# KiCad board edc-mux-board-fpga-main.kicad_pcb (continued)
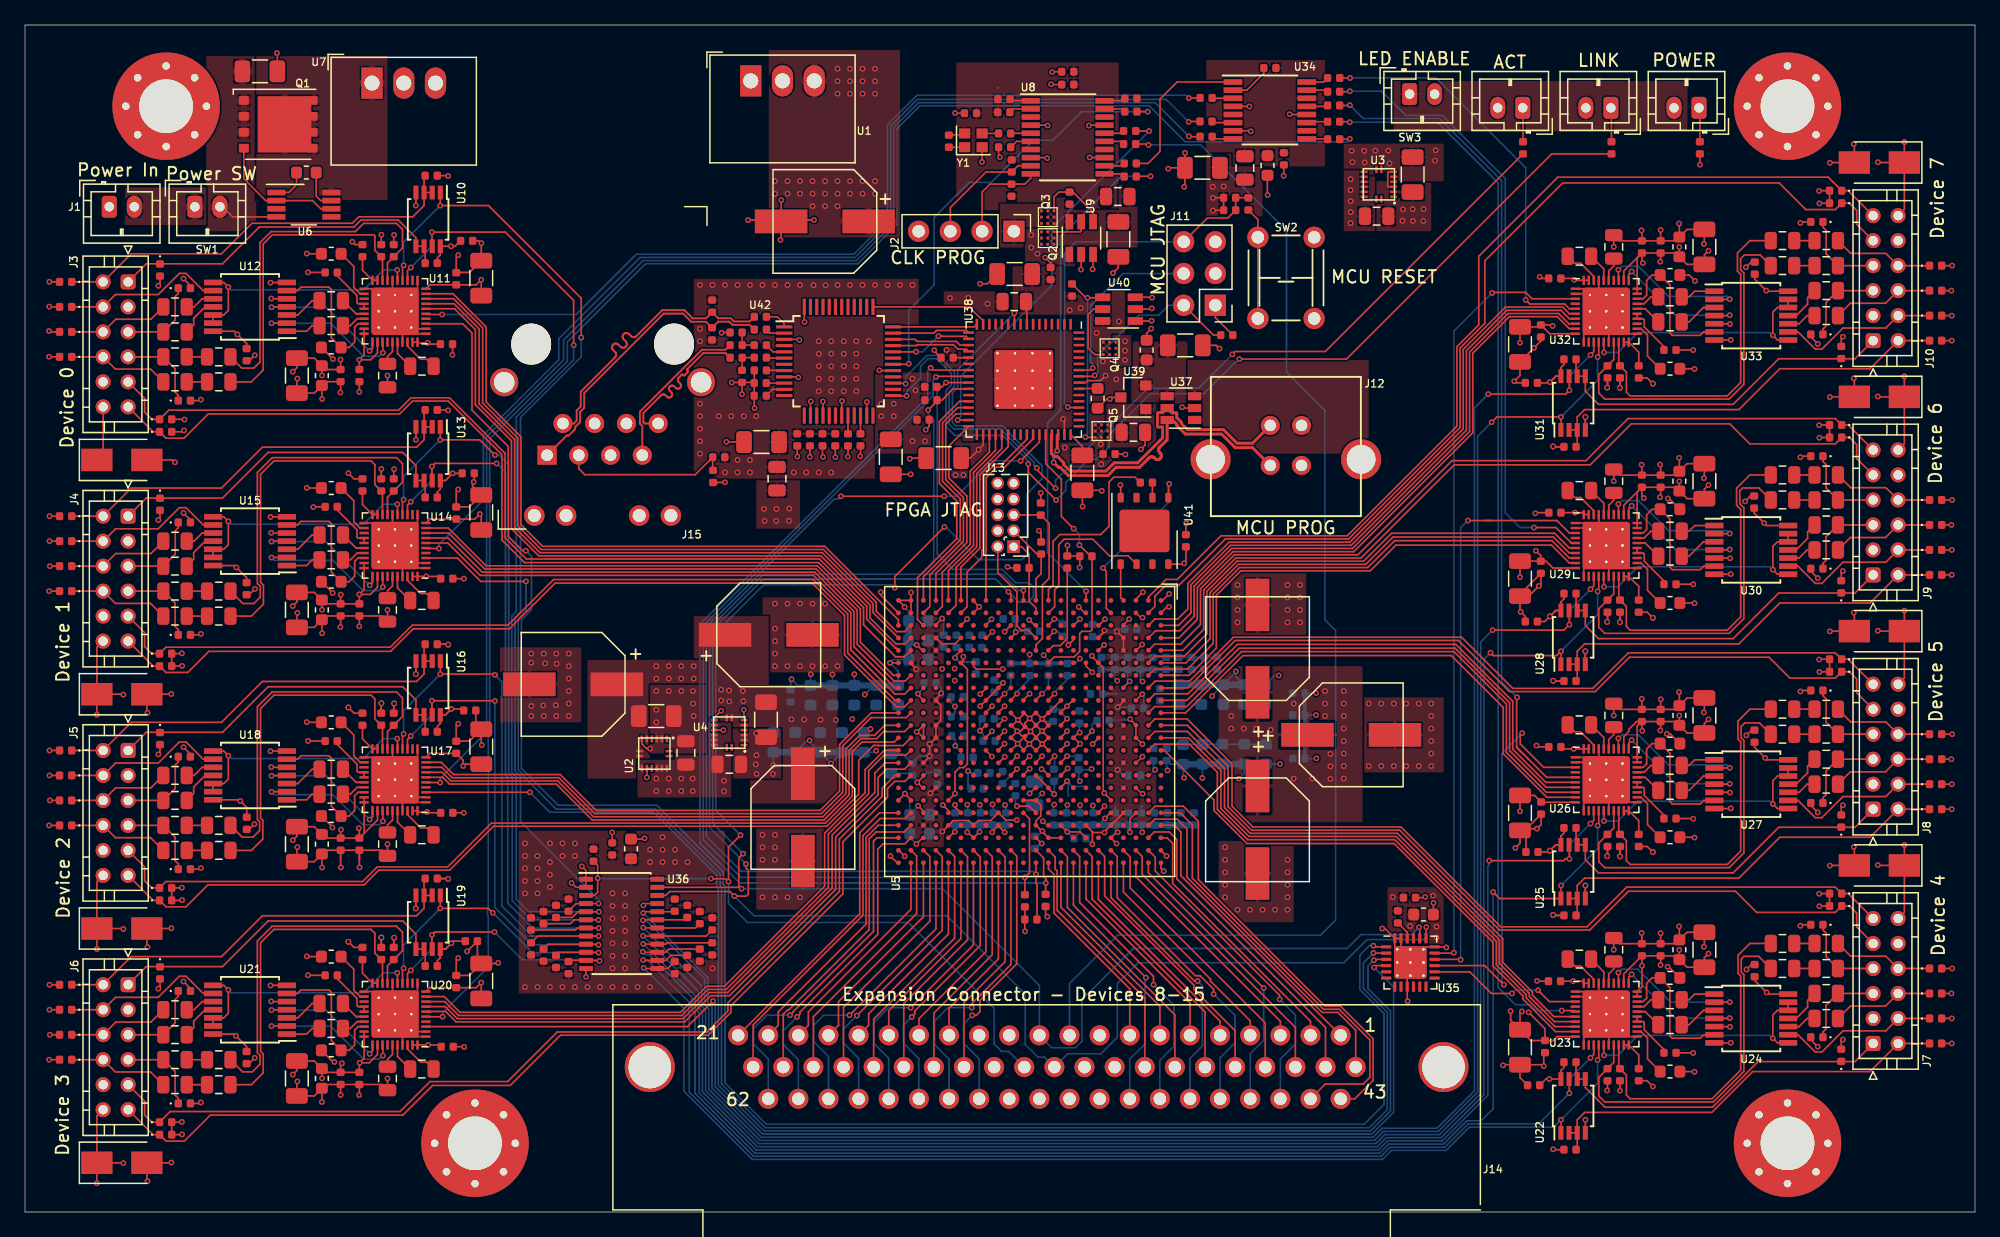
[diagram p0: board, top side]
## Copper pours and planes (outline as drawn; the poured copper is in the pictures) (continued)
/Ethernet Connections/+3V3A on In2.Cu: 53.5,74.69 53.5,58.69 68,58.69 68,67.19 71.5,67.19 71.5,74.69
/Microprocessor and Support/+3V3USB on Top: 86.5,61.19 90.5,61.19 90.5,64.69 86.5,64.69
/Microprocessor and Support/+5Vin on Top: 93,68.19 93,60.69 107.5,60.69 107.5,68.19
/Microprocessor and Support/+5VUSB on Top: 88.5,69.69 88.5,64.69 93,64.69 93,69.69
GND on Top: 56.5,38.69 56.5,34.69 60.5,34.69 60.5,38.69
GND on Top: 50,42.19 50,36.69 54.5,36.69 54.5,42.19
GND on Top: 75,71.69 75,61.69 85,61.69 85,71.69
GND on Top: 38,45.19 38,39.19 44.5,39.19 44.5,45.19
GND on Top: 108,82.5 108,78.5 112.5,78.5 112.5,82.5
GND on Top: 65.5,43.19 65.5,49.19 59,49.19 59,43.19
GND on Top: 64.5,30.69 58.5,30.69 58.5,24.19 64.5,24.19
GND on Top: 101.5,29.69 95.5,29.69 95.5,23.19 101.5,23.19
GND on Top: 107,41.19 107,35.19 113.5,35.19 113.5,41.19
GND on Top: 96.5,45.69 102.5,45.69 102.5,51.19 96.5,51.19
GND on Bottom: 86,43.69 86,41.19 100,41.19 100,43.69
GND on Bottom: 73,48.19 73,45.69 92,45.69 92,48.19
GND on Bottom: 86.5,36.19 86.5,33.19 100,33.19 100,36.19
GND on In1.Cu: 1,93 1,1 155,1 155,93
/CODEC interconnection sheet/Clock and I2C distribution/CLK_DISTRO_3V3_1 on Top: 94.5,92.19 94.5,83.69 104,83.69 104,92.19
/Ethernet Connections/LED_PWR on Top: 109.5,90.5 109.5,86.5 133,86.5 133,90.5
/Microprocessor and Support/MCU_VDDA on Top: 79,75.69 79,70.68 83,70.68 83,75.69
/Microprocessor and Support/MCU_VDDIO on Top: 73.5,73.69 73.5,58.69 88,58.69 88,73.69
/Microprocessor and Support/MCU_VDDIO on In2.Cu: 73.5,73.69 73.5,58.69 88,58.69 88,67.69 87,67.69 87,70.19 88,70.19 88,73.69
/Power Supplies/PROT_PWR_IN on Top: 18.5,92.5 18.5,81 29,81 29,92.5
/Power Supplies/SW_PWR_IN on Top: 14.5,92.5 18.5,92.5 18.5,78.5 14.5,78.5
/Power Supplies/UNSW_PWR_IN on Top: 8,82 8,79 14.5,79 14.5,82

## Text on the board
F.SilkS: Power In | Power SW | FPGA JTAG | CLK PROG | Expansion Connector - Devices 8-15 | MCU PROG | MCU RESET | LED ENABLE | ACT | LINK | POWER | Device 3 | Device 1 | Device 2 | Device 0 | MCU JTAG | Device 6 | Device 5 | Device 7 | Device 4
